# KiCad board oresat0-1u-backplane.kicad_pcb
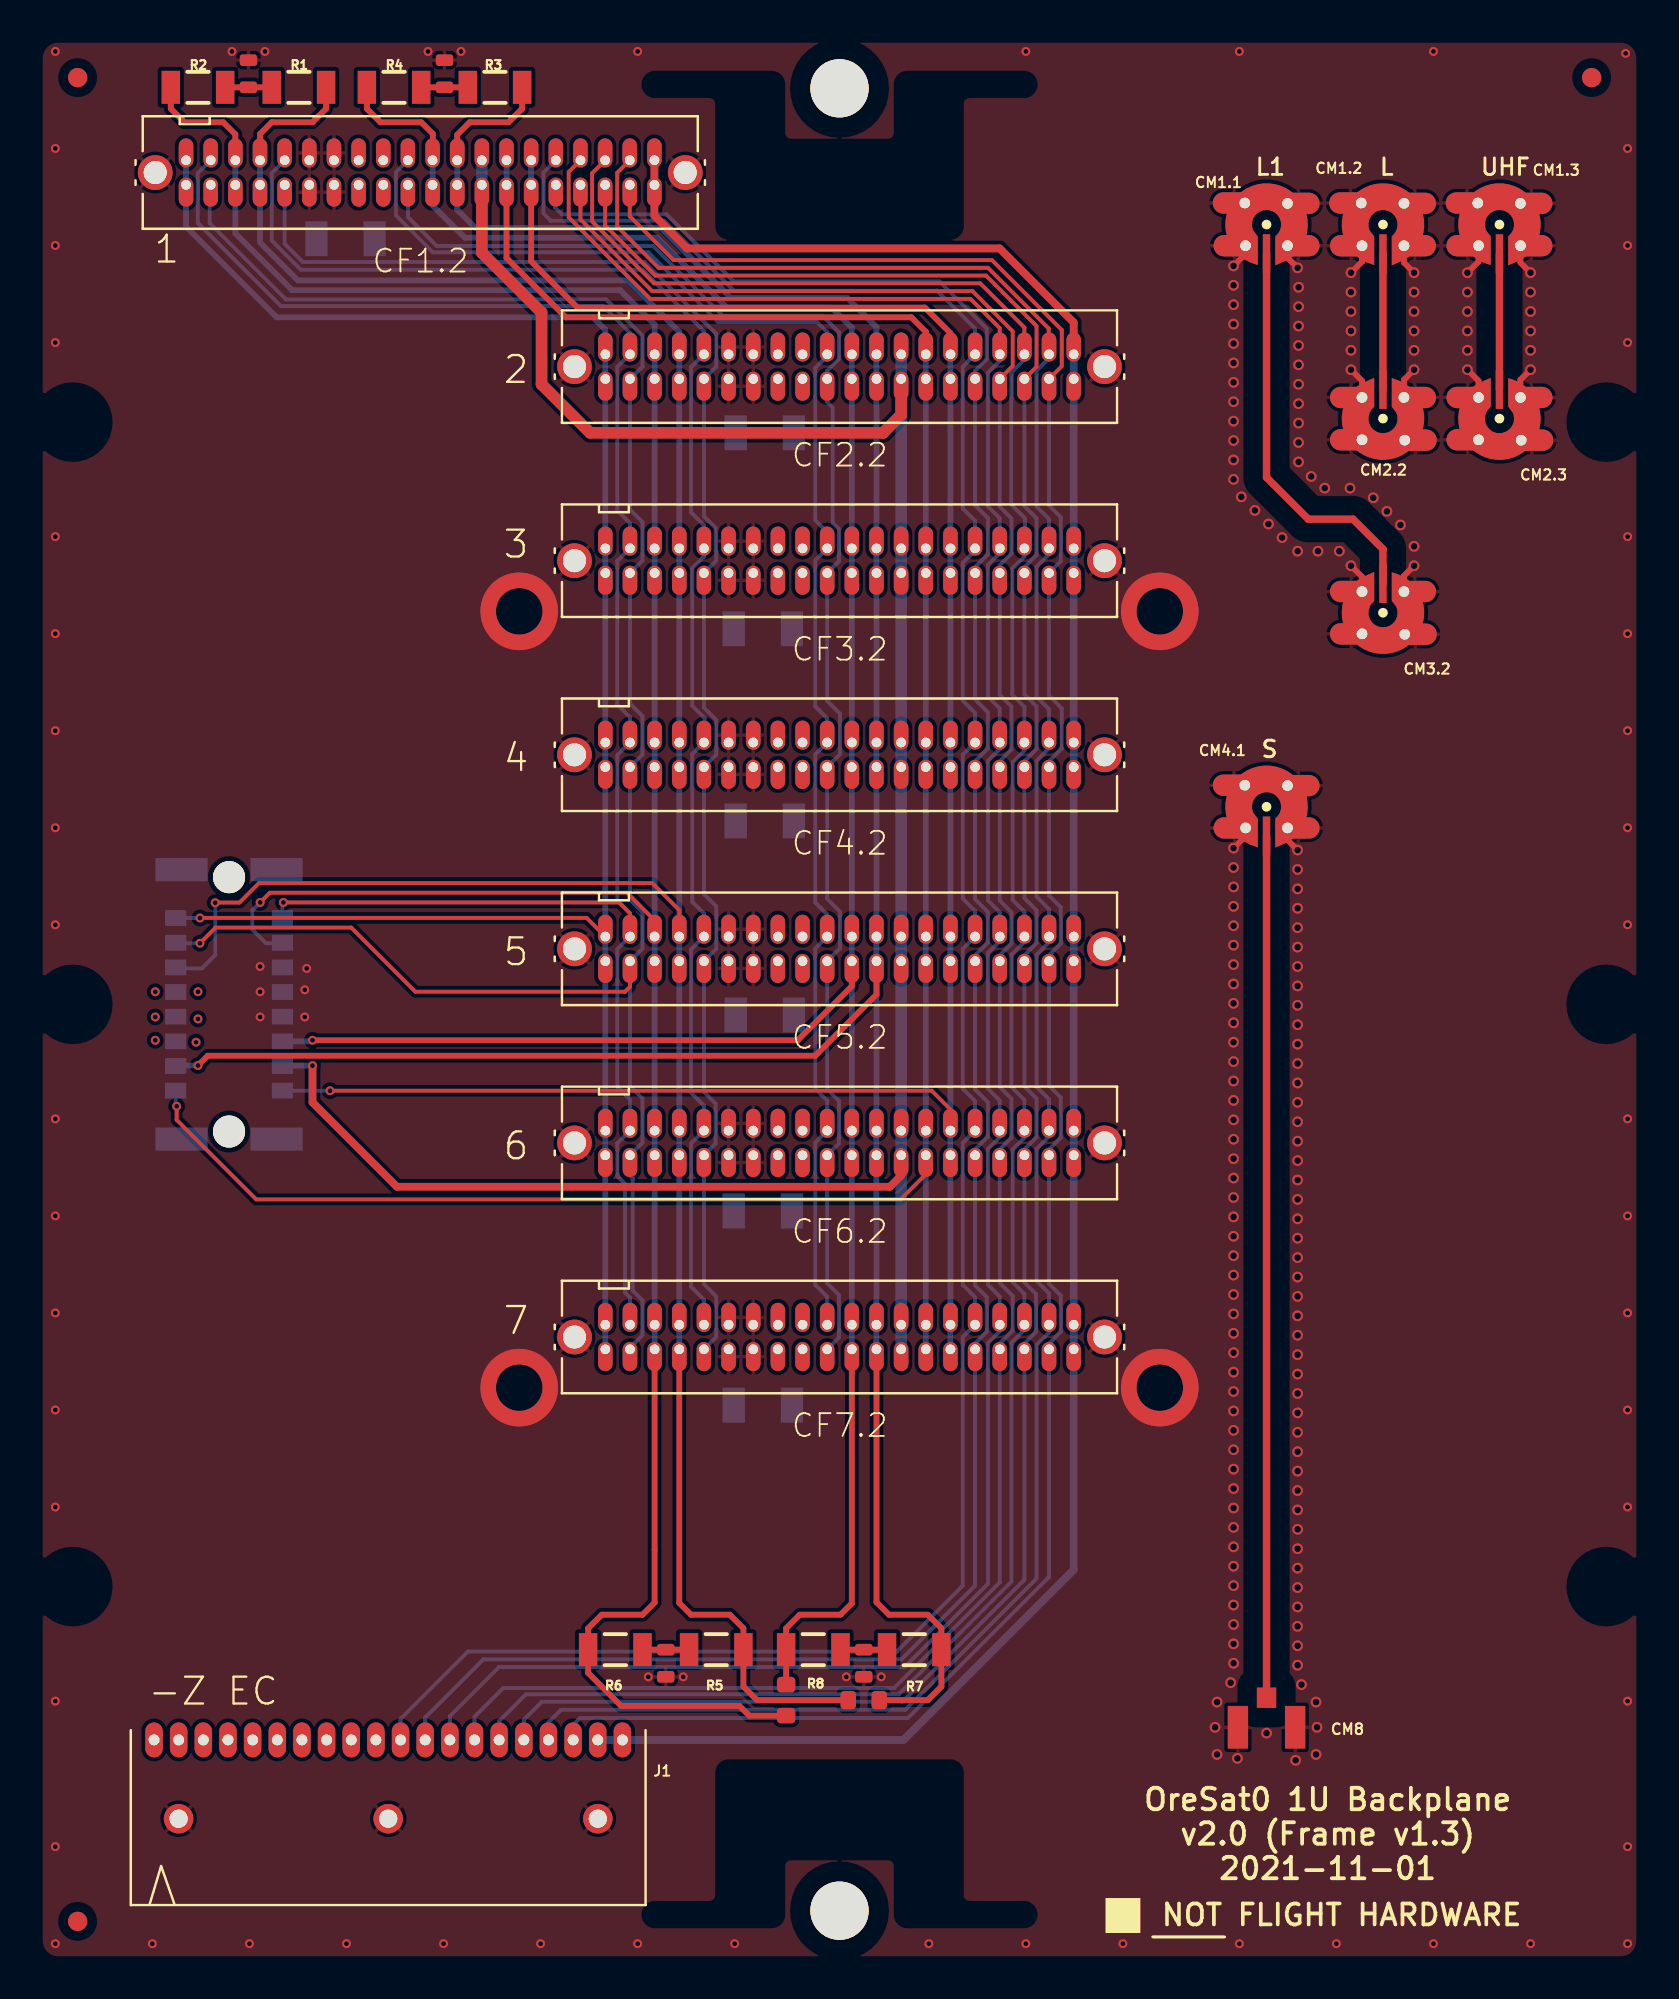
[diagram p0: board, top side]
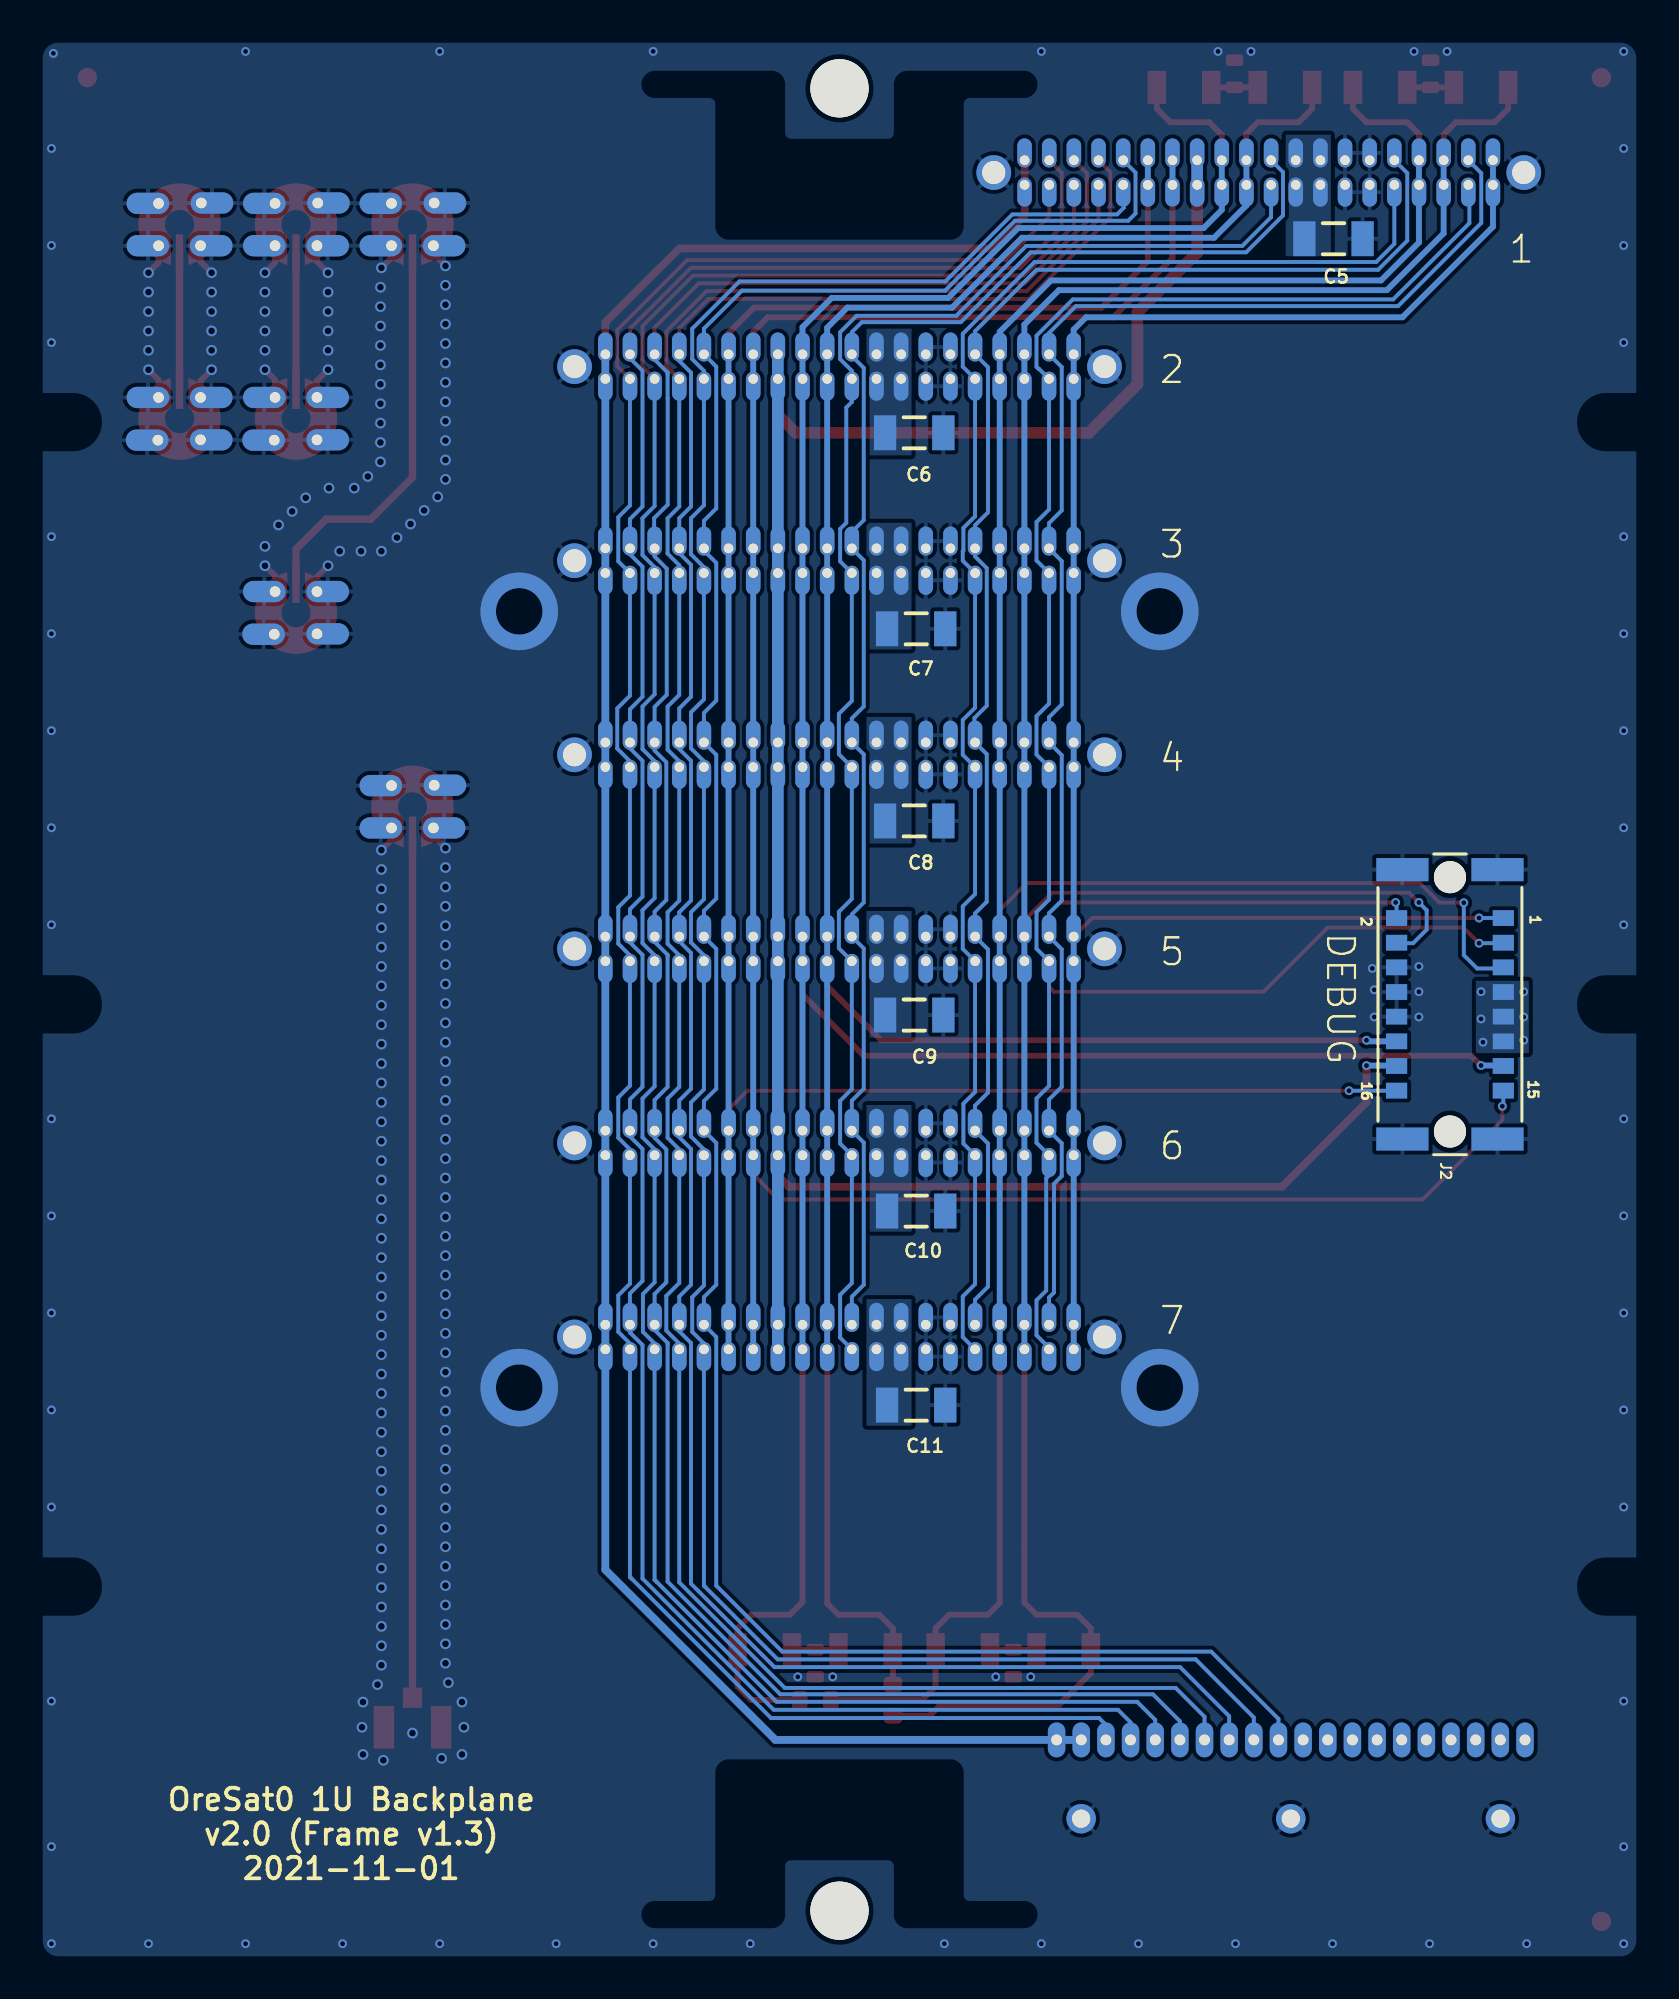
[diagram p1: board, bottom side, seen from below]

Outline 82.5 x 99 mm; copper layers: Top, In1.Cu, In2.Cu, Bottom. Coordinates in mm from the lower left corner of the outline.
Outline path: 0,98 0,80.55 1.75,80.55 arc(3.05,79.25) 1.75,77.95 0,77.95 0,50.55 1.75,50.55 arc(3.05,49.25) 1.75,47.95 0,47.95 0,20.55 1.75,20.55 arc(3.05,19.25) 1.75,17.95 0,17.95 0,1 arc(0.29,0.29) 1,0 81.5,0 arc(82.21,0.29) 82.5,1 82.5,17.95 80.75,17.95 arc(79.45,19.25) 80.75,20.55 82.5,20.55 82.5,47.95 80.75,47.95 arc(79.45,49.25) 80.75,50.55 82.5,50.55 82.5,77.95 80.75,77.95 arc(79.45,79.25) 80.75,80.55 82.5,80.55 82.5,98 arc(82.21,98.71) 81.5,99 1,99 arc(0.29,98.71) 0,98 ; 31.75,96.15 arc(31.25,96.65) 31.75,97.15 37.75,97.15 arc(38.1,97) 38.25,96.65 38.25,94.15 arc(38.4,93.8) 38.75,93.65 43.75,93.65 arc(44.1,93.8) 44.25,94.15 44.25,96.65 arc(44.4,97) 44.75,97.15 50.75,97.15 arc(51.25,96.65) 50.75,96.15 47.95,96.15 arc(47.6,96) 47.45,95.65 47.45,89.35 arc(47.3,89) 46.95,88.85 35.55,88.85 arc(35.2,89) 35.05,89.35 35.05,95.65 arc(34.9,96) 34.55,96.15 31.75,96.15 ; 31.75,2.85 34.55,2.85 arc(34.9,3) 35.05,3.35 35.05,9.65 arc(35.2,10) 35.55,10.15 46.95,10.15 arc(47.3,10) 47.45,9.65 47.45,3.35 arc(47.6,3) 47.95,2.85 50.75,2.85 arc(51.25,2.35) 50.75,1.85 44.75,1.85 arc(44.4,2) 44.25,2.35 44.25,4.85 arc(44.1,5.2) 43.75,5.35 38.75,5.35 arc(38.4,5.2) 38.25,4.85 38.25,2.35 arc(38.1,2) 37.75,1.85 31.75,1.85 arc(31.25,2.35) 31.75,2.85
Stack: Top 0.035mm / dielectric 0.48mm FR4 er 4.5 / In1.Cu 0.035mm / dielectric 0.48mm FR4 er 4.5 / In2.Cu 0.035mm / dielectric 0.48mm FR4 er 4.5 / Bottom 0.035mm

## Placement (name value [footprint] x y rotation side)
@HOLE0  -  [unnamed]  41.25 2.55 0 top
@HOLE1  -  [unnamed]  41.25 96.45 0 top
C1  1n  [.0603-C-NOSILK]  10.8 97.2 90 top
C2  1n  [.0603-C-NOSILK]  20.9 97.2 90 top
C3  1n  [.0603-C-NOSILK]  32.3 15.3 270 top
C4  1n  [.0603-C-NOSILK]  42.5 15.3 270 top
C5  10u 25V  [1206-B]  15.8 88.7 180 bottom
C6  10u 25V  [1206-B]  37.4 78.7 180 bottom
C7  10u 25V  [1206-B]  37.3 68.6 180 bottom
C8  10u 25V  [1206-B]  37.4 58.7 180 bottom
C9  10u 25V  [1206-B]  37.4 48.7 180 bottom
C10  10u 25V  [1206-B]  37.3 38.6 180 bottom
C11  10u 25V  [1206-B]  37.3 28.6 180 bottom
CF1.2  -  [SFM-120-X1-XXX-D]  19.65 92.11 0 top
CF2.2  -  [SFM-120-X1-XXX-D]  41.25 82.11 0 top
CF3.2  -  [SFM-120-X1-XXX-D]  41.25 72.11 0 top
CF4.2  -  [SFM-120-X1-XXX-D]  41.25 62.11 0 top
CF5.2  -  [SFM-120-X1-XXX-D]  41.25 52.11 0 top
CF6.2  -  [SFM-120-X1-XXX-D]  41.25 42.11 0 top
CF7.2  -  [SFM-120-X1-XXX-D]  41.25 32.11 0 top
CM1.1  -  [J-MOLEX-SMPM-73300-0111X]  63.25 89.43 180 top
CM1.2  -  [J-MOLEX-SMPM-73300-0111X]  69.25 89.43 180 top
CM1.3  -  [J-MOLEX-SMPM-73300-0111X]  75.25 89.43 180 top
CM2.2  -  [J-MOLEX-SMPM-73300-0111X]  69.25 79.43 0 top
CM2.3  -  [J-MOLEX-SMPM-73300-0111X]  75.25 79.43 0 top
CM3.2  -  [J-MOLEX-SMPM-73300-0111X]  69.25 69.43 0 top
CM4.1  -  [J-MOLEX-SMPM-73300-0111X]  63.25 59.43 180 top
CM8  U.FL-R-SMA  [U.FL-R-SMT]  63.25 12 0 top
FIDUCIAL1  -  [FIDUCIAL-1.0X2.0]  80 97 0 top
FIDUCIAL2  -  [FIDUCIAL-1.0X2.0]  2 97 0 top
FIDUCIAL3  -  [FIDUCIAL-1.0X2.0]  2 2 0 top
J1  -  [5-104196-5]  18 11.35 0 top
J2  M55-6001642R  [CONN_M55-6001642R_HRW]  9.8 49.25 270 bottom
R1  60.4  [1206-C]  13.4 96.5 180 top
R2  60.4  [1206-C]  8.2 96.5 0 top
R3  60.4  [1206-C]  23.5 96.5 180 top
R4  60.4  [1206-C]  18.3 96.5 0 top
R5  NP/60.4  [1206-C]  34.9 16 180 top
R6  NP/60.4  [1206-C]  29.7 16 0 top
R7  NP/60.4  [1206-C]  45.1 16 180 top
R8  NP/60.4  [1206-C]  39.9 16 0 top
R9  0  [.0603-B-NOSILK]  38.5 13.4 90 top
R10  0  [.0603-B-NOSILK]  42.5 13.4 0 top
U$1  FLIGHMARKERNEW  [FLIGHTMARKER_NEW_BOARDS]  55.2 1.7 0 top

## Footprints (pads in the part's own frame, mm; a bottom-side part is the same pattern mirrored in y, then rotated)
5-104196-5
  oval 0.9x1.8 hole 0.56: 1(-12.065,0) 2(-10.795,0) 3(-9.525,0) 4(-8.255,0) 5(-6.985,0) 6(-5.715,0) 7(-4.445,0) 8(-3.175,0) 9(-1.905,0) 10(-0.635,0) 11(0.635,0) 12(1.905,0) 13(3.175,0) 14(4.445,0) 15(5.715,0) 16(6.985,0) 17(8.255,0) 18(9.525,0) 19(10.795,0) 20(12.065,0)
  round 1.52 hole 0.94: HD1(-10.8,-4.06) HD2(0,-4.06) HD3(10.8,-4.06)
1206-B
  rect 1.15x1.8 smd: 1(-1.5,0) 2(1.5,0)
1206-C
  rect 0.95x1.7 smd: 1(-1.4,0) 2(1.4,0)
.0603-B-NOSILK
  rrect 0.8x0.95 smd: 1(-0.8,0) 2(0.8,0)
.0603-C-NOSILK
  rrect 0.6x0.9 smd: 1(-0.7,0) 2(0.7,0)
CONN_M55-6001642R_HRW
  round 1.651 hole 1.651 unplated: (-6.553,0) (6.553,0)
  rect 0.813x1.092 smd: 1(-4.445,2.75) 2(-4.445,-2.75) 3(-3.175,2.75) 4(-3.175,-2.75) 5(-1.905,2.75) 6(-1.905,-2.75) 7(-0.635,2.75) 8(-0.635,-2.75) 9(0.635,2.75) 10(0.635,-2.75) 11(1.905,2.75) 12(1.905,-2.75) 13(3.175,2.75) 14(3.175,-2.75) 15(4.445,2.75) 16(4.445,-2.75)
  rect 1.194x2.692 smd: 19(-6.94,-2.45) 20(6.94,-2.45) 21(-6.94,2.45) 22(6.94,2.45)
FIDUCIAL-1.0X2.0
  rrect 1x1 smd: FIDUCIAL(0,0)
J-MOLEX-SMPM-73300-0111X
  oval 2.2x1.1 hole 0.55: P$1(-1.08,-1.09) P$2(1.12,-1.11) P$3(1.08,1.09) P$4(-1.08,1.09)
  rect 0.38x2 smd: RF-DOWN(0,1.5)
SFM-120-X1-XXX-D
  oval 0.75x1.5 hole 0.5: 1(12.065,-0.635) 2(12.065,0.635) 3(10.795,-0.635) 4(10.795,0.635) 5(9.525,-0.635) 6(9.525,0.635) 7(8.255,-0.635) 8(8.255,0.635) 9(6.985,-0.635) 10(6.985,0.635) 11(5.715,-0.635) 12(5.715,0.635) 13(4.445,-0.635) 14(4.445,0.635) 15(3.175,-0.635) 16(3.175,0.635) 17(1.905,-0.635) 18(1.905,0.635) 19(0.635,-0.635) 20(0.635,0.635) 21(-0.635,-0.635) 22(-0.635,0.635) 23(-1.905,-0.635) 24(-1.905,0.635) 25(-3.175,-0.635) 26(-3.175,0.635) 27(-4.445,-0.635) 28(-4.445,0.635) 29(-5.715,-0.635) 30(-5.715,0.635) 31(-6.985,-0.635) 32(-6.985,0.635) 33(-8.255,-0.635) 34(-8.255,0.635) 35(-9.525,-0.635) 36(-9.525,0.635) 37(-10.795,-0.635) 38(-10.795,0.635) 39(-12.065,-0.635) 40(-12.065,0.635)
  round 1.791 hole 1.194: LC1(13.652,0) LC2(-13.652,0)
U.FL-R-SMT
  rect 1x1.05 smd: 1(0,1.525)
  rect 1.05x2.2 smd: 2(-1.475,0) 3(1.475,0)
unnamed
  round 3 hole 3 unplated: (0,0)

## Nets
GND: C1.2 C2.2 C3.2 C4.2 C5.2 C6.2 C7.2 C8.2 C9.2 C10.2 C11.2 CF1.2.27 CF1.2.28 CF1.2.29 CF1.2.30 CF1.2.LC1 CF1.2.LC2 CF2.2.27 CF2.2.28 CF2.2.29 CF2.2.30 CF2.2.LC1 CF2.2.LC2 CF3.2.27 CF3.2.28 CF3.2.29 CF3.2.30 CF3.2.LC1 CF3.2.LC2 CF4.2.27 CF4.2.28 CF4.2.29 CF4.2.30 CF4.2.LC1 CF4.2.LC2 CF5.2.27 CF5.2.28 CF5.2.29 CF5.2.30 CF5.2.LC1 CF5.2.LC2 CF6.2.27 CF6.2.28 CF6.2.29 CF6.2.30 CF6.2.LC1 CF6.2.LC2 CF7.2.27 CF7.2.28 CF7.2.29 CF7.2.30 CF7.2.LC1 CF7.2.LC2 CM1.1.P$1 CM1.1.P$2 CM1.1.P$3 CM1.1.P$4 CM1.2.P$1 CM1.2.P$2 CM1.2.P$3 CM1.2.P$4 CM1.3.P$1 CM1.3.P$2 CM1.3.P$3 CM1.3.P$4 CM2.2.P$1 CM2.2.P$2 CM2.2.P$3 CM2.2.P$4 CM2.3.P$1 CM2.3.P$2 CM2.3.P$3 CM2.3.P$4 CM3.2.P$1 CM3.2.P$2 CM3.2.P$3 CM3.2.P$4 CM4.1.P$1 CM4.1.P$2 CM4.1.P$3 CM4.1.P$4 CM8.2 CM8.3 J1.HD1 J1.HD2 J1.HD3 J2.6 J2.8 J2.10 J2.19 J2.20 J2.21 J2.22
VBUS: C5.1 C6.1 C7.1 C8.1 C9.1 C10.1 C11.1 CF1.2.23 CF1.2.24 CF1.2.25 CF1.2.26 CF2.2.23 CF2.2.24 CF2.2.25 CF2.2.26 CF3.2.23 CF3.2.24 CF3.2.25 CF3.2.26 CF4.2.23 CF4.2.24 CF4.2.25 CF4.2.26 CF5.2.23 CF5.2.24 CF5.2.25 CF5.2.26 CF6.2.23 CF6.2.24 CF6.2.25 CF6.2.26 CF7.2.23 CF7.2.24 CF7.2.25 CF7.2.26 J2.7 J2.9 J2.11
C3-UART-RX: CF1.2.38 CF2.2.38 CF3.2.38 CF4.2.38 CF5.2.38 CF6.2.38 CF7.2.38 J2.2
C3-UART-TX: CF1.2.37 CF2.2.37 CF3.2.37 CF4.2.37 CF5.2.37 CF6.2.37 CF7.2.37 J2.3
CAN1_H: CF1.2.33 CF1.2.34 CF2.2.33 CF2.2.34 CF3.2.33 CF3.2.34 CF4.2.33 CF4.2.34 CF5.2.33 CF5.2.34 CF6.2.33 CF6.2.34 CF7.2.33 CF7.2.34 J2.5 R1.1 R5.1 R10.1
CAN1_L: CF1.2.35 CF1.2.36 CF2.2.35 CF2.2.36 CF3.2.35 CF3.2.36 CF4.2.35 CF4.2.36 CF5.2.35 CF5.2.36 CF6.2.35 CF6.2.36 CF7.2.35 CF7.2.36 J2.4 R2.1 R6.1 R9.1
CAN2_H: CF1.2.17 CF1.2.18 CF2.2.17 CF2.2.18 CF3.2.17 CF3.2.18 CF4.2.17 CF4.2.18 CF5.2.17 CF5.2.18 CF6.2.17 CF6.2.18 CF7.2.17 CF7.2.18 J2.13 R3.1 R7.1 R10.2
CAN2_L: CF1.2.19 CF1.2.20 CF2.2.19 CF2.2.20 CF3.2.19 CF3.2.20 CF4.2.19 CF4.2.20 CF5.2.19 CF5.2.20 CF6.2.19 CF6.2.20 CF7.2.19 CF7.2.20 J2.12 R4.1 R8.1 R9.2
L1-TURNSTILE: CM1.1.RF-DOWN CM3.2.RF-DOWN
L-TURNSTILE: CM1.2.RF-DOWN CM2.2.RF-DOWN
N$1: C2.1 R3.2 R4.2
N$2: C1.1 R1.2 R2.2
N$3: C4.1 R7.2 R8.2
N$4: C3.1 R5.2 R6.2
OPD_PWR: CF1.2.15 CF1.2.16 CF2.2.15 CF2.2.16 CF3.2.15 CF3.2.16 CF4.2.15 CF4.2.16 CF5.2.15 CF5.2.16 CF6.2.15 CF6.2.16 CF7.2.15 CF7.2.16 J2.14
OPD_SCL: CF1.2.13 CF1.2.14 CF2.2.13 CF2.2.14 CF3.2.13 CF3.2.14 CF4.2.13 CF4.2.14 CF5.2.13 CF5.2.14 CF6.2.13 CF6.2.14 CF7.2.13 CF7.2.14 J2.15
OPD_SDA: CF1.2.11 CF1.2.12 CF2.2.11 CF2.2.12 CF3.2.11 CF3.2.12 CF4.2.11 CF4.2.12 CF5.2.11 CF5.2.12 CF6.2.11 CF6.2.12 CF7.2.11 CF7.2.12 J2.16
S-PATCH: CM4.1.RF-DOWN CM8.1
SPARE1-MAG-SDA: CF1.2.1 CF1.2.2 CF2.2.1 CF2.2.2 CF3.2.1 CF3.2.2 CF4.2.1 CF4.2.2 CF5.2.1 CF5.2.2 CF6.2.1 CF6.2.2 CF7.2.1 CF7.2.2 J1.19 J1.20
SPARE3-MAG-SCL: CF1.2.3 CF2.2.3 CF3.2.3 CF4.2.3 CF5.2.3 CF6.2.3 CF7.2.3 J1.18
SPARE4-MAG-SCL: CF1.2.4 CF2.2.4 CF3.2.4 CF4.2.4 CF5.2.4 CF6.2.4 CF7.2.4 J1.17
SPARE5-MAG-POWER: CF1.2.5 CF2.2.5 CF3.2.5 CF4.2.5 CF5.2.5 CF6.2.5 CF7.2.5 J1.16
SPARE6-MAG-POWER: CF1.2.6 CF2.2.6 CF3.2.6 CF4.2.6 CF5.2.6 CF6.2.6 CF7.2.6 J1.15
SPARE7: CF1.2.7 CF2.2.7 CF3.2.7 CF4.2.7 CF5.2.7 CF6.2.7 CF7.2.7 J1.14
SPARE8: CF1.2.8 CF2.2.8 CF3.2.8 CF4.2.8 CF5.2.8 CF6.2.8 CF7.2.8 J1.13
SPARE9-TURNSTILE-DEPLOY: CF1.2.9 CF2.2.9 CF3.2.9 CF4.2.9 CF5.2.9 CF6.2.9 CF7.2.9 J1.12
SPARE10-TURNSTILE-DEPLOY: CF1.2.10 CF2.2.10 CF3.2.10 CF4.2.10 CF5.2.10 CF6.2.10 CF7.2.10 J1.11
SPARE21: CF1.2.21 CF2.2.21 CF3.2.21 CF4.2.21 CF5.2.21 CF6.2.21 CF7.2.21
SPARE22: CF1.2.22 CF2.2.22 CF3.2.22 CF4.2.22 CF5.2.22 CF6.2.22 CF7.2.22
SPARE31: CF1.2.31 CF2.2.31 CF3.2.31 CF4.2.31 CF5.2.31 CF6.2.31 CF7.2.31
SPARE32: CF1.2.32 CF2.2.32 CF3.2.32 CF4.2.32 CF5.2.32 CF6.2.32 CF7.2.32
UHF-TURNSTILE: CM1.3.RF-DOWN CM2.3.RF-DOWN
~{SD}: CF1.2.39 CF1.2.40 CF2.2.39 CF2.2.40 CF3.2.39 CF3.2.40 CF4.2.39 CF4.2.40 CF5.2.39 CF5.2.40 CF6.2.39 CF6.2.40 CF7.2.39 CF7.2.40 J2.1

Pads without a net: FIDUCIAL1 FIDUCIAL; FIDUCIAL2 FIDUCIAL; FIDUCIAL3 FIDUCIAL; J1 1 2 3 4 5 6 7 8 9 10

## Via types
v1: diameter 0.457, hole 0.254, Top to Bottom, 82 vias
v2: diameter 0.553, hole 0.35, Top to Bottom, 160 vias
v3: diameter 4, hole 2.4, Top to Bottom, 4 vias

## Routing (per net, layer and track width the routed paths; a pad name or vN(x,y) marks a point on that pad's centre or on a via; arc(x,y) is an arc through that point)
GND: length 21.5
  Top w0.3: v2(76.85,81.95) 76.33,81.43 CM2.3.P$3 ; CM1.2.P$3 68.17,87.52 v2(67.6,86.95) ; CM1.2.P$4 70.33,87.47 v2(70.85,86.95) ; v2(73.6,81.95) 74.17,81.38 CM2.3.P$4 ; CM1.3.P$3 74.17,87.52 v2(73.6,86.95) ; CM1.1.P$3 62.17,87.92 v2(61.55,87.3) ; CM4.1.P$4 64.33,57.72 v2(64.85,57.2) ; CM3.2.P$4 68.17,71.28 v2(67.6,71.85) ; CM1.3.P$4 76.33,87.47 v2(76.85,86.95) ; v2(70.85,81.95) 70.33,81.43 CM2.2.P$3 ; CM4.1.P$3 62.17,57.92 v2(61.55,57.3) ; v2(67.6,81.95) 68.17,81.38 CM2.2.P$4 ; CM3.2.P$3 70.33,71.33 v2(70.85,71.85) ; CM1.1.P$4 64.33,87.72 v2(64.85,87.2)
  vias: v1(0.85,98.35) v1(0.85,93.35) v1(0.85,88.35) v1(0.85,83.35) v1(0.85,73.35) v1(0.85,68.35) v1(0.85,63.35) v1(0.85,58.35) v1(0.85,53.35) v1(0.85,43.35) v1(0.85,38.35) v1(0.85,33.35) v1(0.85,28.35) v1(0.85,23.35) v1(0.85,13.35) v1(0.85,5.85) v1(0.85,0.85) v1(5.85,0.85) v1(9.95,98.35) v1(10.85,0.85) v1(11.4,51.2) v1(11.4,49.9) v1(11.4,48.6) v1(11.65,98.35) v1(13.7,50) v1(13.7,48.6) v1(13.8,51.1) v1(15.85,0.85) v1(20.05,98.35) v1(20.85,0.85) v1(21.75,98.35) v1(25.85,0.85) v1(30.85,98.35) v1(30.85,0.85) v1(31.4,14.6) v1(33.2,14.6) v1(35.85,0.85) v1(41.6,14.6) v1(43.4,14.6) v1(45.85,0.85) v1(50.85,98.35) v1(50.85,0.85) v1(55.85,0.85) v1(61.85,98.35) v1(61.85,0.85) v1(66.85,0.85) v1(71.85,98.35) v1(71.85,0.85) v1(76.85,0.85) v1(81.75,98.25) v1(81.85,93.35) v1(81.85,88.35) v1(81.85,83.35) v1(81.85,73.35) v1(81.85,68.35) v1(81.85,63.35) v1(81.85,58.35) v1(81.85,53.35) v1(81.85,43.35) v1(81.85,38.35) v1(81.85,33.35) v1(81.85,28.35) v1(81.85,23.35) v1(81.85,13.35) v1(81.85,5.85) v1(81.85,0.85) v2(60.6,12) v2(60.7,13.3) v2(60.7,10.6) v2(61.4,14.3) v2(61.55,86.3) v2(61.55,85.3) v2(61.55,84.3) v2(61.55,83.3) v2(61.55,82.3) v2(61.55,81.3) v2(61.55,80.3) v2(61.55,79.3) v2(61.55,78.3) v2(61.55,77.3) v2(61.55,76.3) v2(61.55,56.3) v2(61.55,55.3) v2(61.55,54.3) v2(61.55,53.3) v2(61.55,52.3) v2(61.55,51.3) v2(61.55,50.3) v2(61.55,49.3) v2(61.55,48.3) v2(61.55,47.3) v2(61.55,46.3) v2(61.55,45.3) v2(61.55,44.3) v2(61.55,43.3) v2(61.55,42.3) v2(61.55,41.3) v2(61.55,40.3) v2(61.55,39.3) v2(61.55,38.3) v2(61.55,37.3) v2(61.55,36.3) v2(61.55,35.3) v2(61.55,34.3) v2(61.55,33.3) v2(61.55,32.3) v2(61.55,31.3) v2(61.55,30.3) v2(61.55,29.3) v2(61.55,28.3) v2(61.55,27.3) v2(61.55,26.3) v2(61.55,25.3) v2(61.55,24.3) v2(61.55,23.3) v2(61.55,22.3) v2(61.55,21.3) v2(61.55,20.3) v2(61.55,19.3) v2(61.55,18.3) v2(61.55,17.3) v2(61.55,16.3) v2(61.55,15.3) v2(61.75,10.4) v2(61.95,75.4) v2(62.65,74.7) v2(63.25,11.7) v2(63.35,74) v2(64.05,73.3) v2(64.75,10.3) v2(64.85,72.6) v2(64.85,56.2) v2(64.85,55.2) v2(64.85,54.2) v2(64.85,53.2) v2(64.85,52.2) v2(64.85,51.2) v2(64.85,50.2) v2(64.85,49.2) v2(64.85,48.2) v2(64.85,47.2) v2(64.85,46.2) v2(64.85,45.2) v2(64.85,44.2) v2(64.85,43.2) v2(64.85,42.2) v2(64.85,41.2) v2(64.85,40.2) v2(64.85,39.2) v2(64.85,38.2) v2(64.85,37.2) v2(64.85,36.2) v2(64.85,35.2) v2(64.85,34.2) v2(64.85,33.2) v2(64.85,32.2) v2(64.85,31.2) v2(64.85,30.2) v2(64.85,29.2) v2(64.85,28.2) v2(64.85,27.2) v2(64.85,26.2) v2(64.85,25.2) v2(64.85,24.2) v2(64.85,23.2) v2(64.85,22.2) v2(64.85,21.2) v2(64.85,20.2) v2(64.85,19.2) v2(64.85,18.2) v2(64.85,17.2) v2(64.85,16.2) v2(64.85,15.2) v2(64.9,86.2) v2(64.9,85.2) v2(64.9,84.2) v2(64.9,83.2) v2(64.9,82.2) v2(64.9,81.2) v2(64.9,80.2) v2(64.9,79.2) v2(64.9,78.2) v2(64.9,77.2) v2(65.05,14.2) v2(65.55,76.45) v2(65.8,13.3) v2(65.85,12) v2(65.8,10.6) v2(65.9,72.6) v2(66.25,75.85) v2(67,72.6) v2(67.55,75.85) v2(67.6,85.95) v2(67.6,84.95) v2(67.6,83.95) v2(67.6,82.95) v2(68.75,75.35) v2(69.45,74.65) v2(70.15,73.95) v2(70.85,85.95) v2(70.85,84.95) v2(70.85,83.95) v2(70.85,82.95) v2(70.85,72.85) v2(73.6,85.95) v2(73.6,84.95) v2(73.6,83.95) v2(73.6,82.95) v2(76.85,85.95) v2(76.85,84.95) v2(76.85,83.95) v2(76.85,82.95) v3(24.75,69.5) v3(24.75,29.5) v3(57.75,69.5) v3(57.75,29.5)
VBUS:
  vias: v1(6,49.9) v1(6,48.6) v1(6,47.4) v1(8.1,47.3) v1(8.2,49.9) v1(8.2,48.5)
C3-UART-RX: length 102
  Top w0.2: v1(12.6,54.5) 29.9,54.5 30.45,53.95 CF5.2.38
  Bottom w0.2: v1(12.6,54.5) 12.55,54.45 J2.2 ; CF7.2.38 30.45,34.15 30.2,34.4 30.2,40 29.8,40.4 29.8,42.09 CF6.2.38 30.45,44.34 29.8,45 29.8,52.09 CF5.2.38 30.45,53.95 29.8,54.6 29.8,62.09 CF4.2.38 30.45,64.05 29.8,64.7 29.8,72.09 CF3.2.38 30.45,74.05 29.8,74.7 29.8,82.09 CF2.2.38 30.45,83.84 29.07,85.23 12.47,85.23 8.19,89.51 8.19,92.08 CF1.2.38
C3-UART-TX: length 108.4
  Top w0.2: CF5.2.37 30.45,50.16 30.2,49.9 19.4,49.9 16.09,53.21 9.11,53.21 v1(8.3,52.4)
  Bottom w0.2: CF1.2.37 8.8,91.42 8.8,89.5 12.73,85.57 29.23,85.57 31.1,83.7 31.1,82.1 31,82 30.98,82 CF2.2.37 30.45,74.75 31.1,74.1 31.1,72.12 CF3.2.37 30.45,64.75 31.1,64.1 31.1,62.12 CF4.2.37 30.45,54.65 31.1,54 31.1,52.12 CF5.2.37 30.45,45.05 31.1,44.4 31.1,42.12 CF6.2.37 30.5,41.43 30.5,40.4 30.6,40.3 30.6,34.5 31.1,34 31.1,32.2 30.45,31.56 CF7.2.37 ; J2.3 7.08,52.4 v1(8.3,52.4)
CAN1_H: length 143.7
  Top w0.2: v1(9.09,54.49) 9.1,54.5 9.26,54.5 9.26,54.5 10.34,54.5 11.34,55.5 31.6,55.5 33,54.11 CF5.2.34
  Top w0.3: R10.1 37,13.4 36.3,14.1 R5.1 36.3,17.1 35.6,17.8 33.6,17.8 33,18.41 CF7.2.33 ; R1.1 14.8,95.4 14.1,94.7 12,94.7 11.4,94.09 CF1.2.34
  Bottom w0.2: J2.5 7.11,51.1 8.4,51.1 9.09,51.79 v1(9.09,54.49)
  Bottom w0.3: 33,52.5 CF5.2.34 ; 33,52.5 CF5.2.33 CF6.2.34 CF6.2.33 CF7.2.34 CF7.2.33 ; 33,52.5 CF4.2.33 CF4.2.34 CF3.2.33 CF3.2.34 CF2.2.33 CF2.2.34 33,83.91 30.35,86.55 13.35,86.55 11.4,88.51 CF1.2.33 CF1.2.34
CAN1_L: length 142.2
  Top w0.2: CF5.2.36 31.73,53.58 30.3,55 11.9,55 v1(11.4,54.5)
  Top w0.3: CF1.2.36 10.12,94.08 9.5,94.7 7.5,94.7 6.8,95.4 R2.1 ; CF7.2.35 31.73,18.43 31.1,17.8 29,17.8 28.3,17.1 R6.1 28.3,14.8 30,13.1 36.1,13.1 36.6,12.6 R9.1
  Bottom w0.2: J2.4 12.53,52.4 11.7,52.4 11,53.1 11,54.1 v1(11.4,54.5)
  Bottom w0.3: CF7.2.35 CF7.2.36 CF6.2.35 CF6.2.36 CF5.2.35 CF5.2.36 CF4.2.35 CF4.2.36 CF3.2.35 CF3.2.36 CF2.2.35 CF2.2.36 31.73,84.28 29.95,86.05 13.05,86.05 10.12,88.98 CF1.2.35 CF1.2.36
CAN2_H: length 148.4
  Top w0.3: v1(8.2,46.1) 8.7,46.6 40,46.6 43.16,49.76 CF5.2.17 ; CF7.2.17 43.16,18.44 43.8,17.8 45.8,17.8 46.5,17.1 R7.1 46.5,14.1 45.8,13.4 R10.2 ; CF1.2.18 21.55,94.06 22.2,94.7 24.2,94.7 24.9,95.4 R3.1
  Bottom w0.3: J2.13 7.08,46.1 v1(8.2,46.1) ; CF7.2.17 CF7.2.18 CF6.2.17 CF6.2.18 CF5.2.17 CF5.2.18 CF4.2.17 CF4.2.18 CF3.2.17 CF3.2.18 CF2.2.17 CF2.2.18 43.16,84.15 41.65,85.65 35.65,85.65 32.05,89.25 22.49,89.25 21.55,90.18 CF1.2.17 CF1.2.18
CAN2_L: length 137.4
  Top w0.3: v1(14.1,47.4) 39.1,47.4 41.89,50.19 CF5.2.19 ; CF7.2.19 41.89,18.39 41.3,17.8 39.2,17.8 38.5,17.1 R8.1 R9.2 ; R4.1 16.9,95.4 17.6,94.7 19.7,94.7 20.3,94.1 20.3,92.76 CF1.2.20
  Bottom w0.3: 41.89,81.6 CF2.2.20 41.89,84.12 40.85,85.15 35.45,85.15 31.85,88.75 21.95,88.75 20.29,90.42 CF1.2.19 CF1.2.20 ; 41.89,81.6 CF2.2.19 ; 41.89,81.6 CF3.2.20 CF3.2.19 CF4.2.20 CF4.2.19 CF5.2.20 CF5.2.19 CF6.2.20 CF6.2.19 CF7.2.20 CF7.2.19 ; J2.12 14.05,47.34 v1(14.1,47.4)
L1-TURNSTILE: length 20.8
  Top w0.38: CM3.2.RF-DOWN 69.25,72.7 67.7,74.25 65.4,74.25 63.25,76.4 CM1.1.RF-DOWN
L-TURNSTILE: length 7
  Top w0.38: CM2.2.RF-DOWN CM1.2.RF-DOWN
N$1: length 2.4
  Top w0.3: R4.2 C2.1 R3.2
N$2: length 2.4
  Top w0.3: R2.2 C1.1 R1.2
N$3: length 2.4
  Top w0.3: R8.2 C4.1 R7.2
N$4: length 2.4
  Top w0.3: R6.2 C3.1 R5.2
OPD_PWR: length 122.8
  Top w0.3: 14.1,46.1 v1(14.1,46.09)
  Top w0.4: 14.1,46.1 14.1,44.2 18.45,39.85 43.85,39.85 44.42,40.43 CF6.2.15
  Top w0.6: CF1.2.15 22.83,87.98 25.9,84.9 25.9,81.2 28.4,78.7 43.5,78.7 44.42,79.62 CF2.2.15
  Bottom w0.3: J2.14 12.57,46.09 v1(14.1,46.09)
  Bottom w0.6: CF1.2.16 CF1.2.15 ; CF2.2.16 CF2.2.15 CF3.2.16 CF3.2.15 CF4.2.16 CF4.2.15 CF5.2.16 CF5.2.15 CF6.2.16 CF6.2.15 CF7.2.16 CF7.2.15
OPD_SCL: length 124
  Top w0.2: CF6.2.13 45.7,40.5 44.4,39.2 11.2,39.2 7.1,43.3 v1(7.1,44)
  Top w0.3: CF1.2.13 24.1,87.71 27.15,84.65 44.95,84.65 45.7,83.91 CF2.2.14
  Bottom w0.2: J2.15 7.05,44.05 v1(7.1,44)
  Bottom w0.3: CF2.2.14 CF2.2.13 CF3.2.14 CF3.2.13 CF4.2.14 CF4.2.13 CF5.2.14 CF5.2.13 CF6.2.14 CF6.2.13 CF7.2.14 CF7.2.13 ; CF1.2.14 CF1.2.13
OPD_SDA: length 116.6
  Top w0.2: v1(15,44.8) 46,44.8 46.97,43.84 CF6.2.12
  Top w0.3: CF1.2.11 25.36,87.54 27.75,85.15 45.65,85.15 46.97,83.84 CF2.2.12
  Bottom w0.2: J2.16 12.56,44.8 v1(15,44.8)
  Bottom w0.3: CF1.2.12 CF1.2.11 ; CF2.2.12 CF2.2.11 CF3.2.12 CF3.2.11 CF4.2.12 CF4.2.11 CF5.2.12 CF5.2.11 CF6.2.12 CF6.2.11 CF7.2.12 CF7.2.11
S-PATCH: length 44.4
  Top w0.38: CM8.1 CM4.1.RF-DOWN
SPARE1-MAG-SDA: length 119.2
  Top w0.4: CF1.2.2 CF1.2.1 31.72,89.89 33.4,88.2 49.5,88.2 53.32,84.39 CF2.2.2
  Bottom w0.4: J1.19 J1.20 44.55,11.35 53.32,20.12 CF7.2.1 CF7.2.2 CF6.2.1 CF6.2.2 CF5.2.1 CF5.2.2 CF4.2.1 CF4.2.2 CF3.2.1 CF3.2.2 CF2.2.1 CF2.2.2
SPARE3-MAG-SCL: length 122
  Top w0.2: CF2.2.3 52.7,82.13 52.7,84 49.1,87.6 32.7,87.6 30.45,89.86 CF1.2.3
  Bottom w0.2: 51.95,19.65 44.78,12.48 27.88,12.48 27.5,12.1 27.5,11.47 27.53,11.45 J1.18 ; 51.95,19.65 52.05,19.75 ; 51.95,19.65 52.05,19.75 ; 52.05,19.75 CF7.2.3 52.05,31.78 52.65,32.38 52.65,34.25 52.05,34.86 CF6.2.3 52.05,41.78 52.65,42.38 52.65,44.45 52.05,45.06 CF5.2.3 52.05,51.78 52.65,52.38 52.65,54.25 52.05,54.86 CF4.2.3 52.05,61.78 52.7,62.43 52.7,64.5 52.05,65.16 CF3.2.3 52.65,72.08 52.65,74.35 52.05,74.96 CF2.2.3
SPARE4-MAG-SCL: length 124.6
  Top w0.2: CF2.2.4 52.03,82.76 52.03,84.07 48.9,87.2 31.93,87.2 29.8,89.33 29.8,92.1 CF1.2.4
  Bottom w0.2: J1.17 26.26,12.25 26.9,12.9 44.64,12.9 51.4,19.66 51.4,31.7 52.05,32.34 CF7.2.4 52.05,34.36 51.4,35 51.4,41.8 52.05,42.45 CF6.2.4 52.05,44.36 51.4,45 51.4,51.8 52.05,52.45 CF5.2.4 52.05,54.16 51.4,54.8 51.4,61.8 52.05,62.45 CF4.2.4 52.05,64.46 51.4,65.1 51.4,71.8 52.05,72.45 CF3.2.4 52.05,74.26 51.4,74.9 51.4,81.9 52.05,82.55 CF2.2.4
SPARE5-MAG-POWER: length 123.9
  Top w0.2: CF2.2.5 51.4,82.1 51.4,84.2 48.8,86.8 31.76,86.8 29.17,89.39 CF1.2.5
  Bottom w0.2: J1.16 24.98,12.39 25.91,13.31 44.49,13.31 50.66,19.49 ; 50.78,19.6 CF7.2.5 50.78,31.78 51.38,32.38 51.38,34.32 50.78,34.93 CF6.2.5 50.78,41.78 51.4,42.4 51.4,44.4 50.78,45.03 CF5.2.5 50.78,51.78 51.4,52.4 51.4,54.1 50.78,54.73 CF4.2.5 50.78,61.78 51.4,62.4 51.4,64.6 50.78,65.23 CF3.2.5 50.78,71.78 51.4,72.4 51.4,74.3 50.78,74.93 CF2.2.5 ; 50.78,19.6 50.66,19.49 ; 50.78,19.6 50.66,19.49
SPARE6-MAG-POWER: length 125.9
  Top w0.2: CF1.2.6 28.5,92.07 28.5,91.73 28.51,91.72 28.51,89.59 31.7,86.4 48.5,86.4 50.78,84.12 CF2.2.6
  Bottom w0.2: CF2.2.6 50.78,82.48 50.1,81.8 50.1,81.73 50.11,81.72 50.11,80.48 50.1,80.47 50.1,75 50.8,74.3 50.8,72.77 CF3.2.6 50.78,72.33 50.15,71.7 50.15,65.2 50.78,64.58 CF4.2.6 50.78,62.33 50.17,61.72 50.17,54.63 50.78,54.03 CF5.2.6 50.78,52.48 50.1,51.8 50.1,51.73 50.11,51.72 50.11,44.99 50.78,44.33 CF6.2.6 50.78,42.38 50.17,41.77 50.17,34.93 50.78,34.33 CF7.2.6 50.78,32.48 50.1,31.8 50.1,31.73 50.11,31.72 50.11,19.51 44.3,13.7 25.1,13.7 23.72,12.31 J1.15
SPARE7: length 124.8
  Top w0.2: CF2.2.7 50.17,82.14 50.17,83.93 48.1,86 31.6,86 27.91,89.7 CF1.2.7
  Bottom w0.2: J1.14 22.45,12.55 23.93,14.03 44.06,14.03 49.51,19.47 CF7.2.7 49.51,31.78 50.17,32.44 50.17,34.23 49.51,34.9 CF6.2.7 49.51,41.78 50.11,42.38 50.11,44.39 49.51,45 CF5.2.7 49.51,51.78 50.11,52.38 50.11,53.99 49.51,54.59 CF4.2.7 49.51,61.78 50.11,62.38 50.11,64.59 49.51,65.2 CF3.2.7 49.51,71.88 50.1,72.47 50.1,72.49 50.11,72.5 50.11,74.29 49.51,74.9 CF2.2.7
SPARE8: length 127
  Top w0.2: CF1.2.8 27.3,92.14 27.3,89.8 31.5,85.6 48,85.6 49.51,84.09 CF2.2.8
  Bottom w0.2: CF2.2.8 49.51,82.41 48.9,81.8 48.9,74.9 49.51,74.3 CF3.2.8 49.51,72.51 48.9,71.9 48.9,65.1 49.51,64.5 CF4.2.8 49.51,62.41 48.9,61.8 48.9,54.6 49.51,54 CF5.2.8 49.51,52.51 48.9,51.9 48.9,44.9 49.51,44.3 CF6.2.8 49.51,42.41 48.9,41.8 48.9,34.8 49.51,34.2 CF7.2.8 49.51,32.41 48.9,31.8 48.9,24.9 48.9,24.9 48.9,19.4 44.6,15.1 23.7,15.1 21.17,12.58 J1.13
SPARE9-TURNSTILE-DEPLOY: length 126.1
  Bottom w0.2: CF1.2.9 26.6,91.44 26.6,90.3 26.95,89.95 32.34,89.95 35.8,86.5 46.4,86.5 48.84,84.06 48.84,82.5 48.23,81.89 CF2.2.9 48.23,74.97 48.9,74.3 48.9,72.44 48.23,71.78 CF3.2.9 48.23,64.97 48.9,64.3 48.9,62.44 48.23,61.78 CF4.2.9 48.23,54.67 48.9,54 48.9,52.44 48.23,51.78 CF5.2.9 48.23,44.87 48.9,44.2 48.9,42.44 48.23,41.78 CF6.2.9 48.23,34.77 48.84,34.16 48.84,32.38 48.23,31.78 CF7.2.9 48.23,19.3 ; 48.23,19.3 48.17,19.23 ; 48.23,19.3 48.17,19.23 ; 48.17,19.23 44.44,15.5 22.9,15.5 19.91,12.5 J1.12
SPARE10-TURNSTILE-DEPLOY: length 128.3
  Bottom w0.2: J1.11 18.64,12.44 22.1,15.9 44.2,15.9 47.6,19.3 47.6,32.11 CF7.2.10 48.23,34.17 47.6,34.8 47.6,42.11 CF6.2.10 48.23,44.27 47.6,44.9 47.6,52.11 CF5.2.10 48.23,54.07 47.6,54.7 47.6,62.11 CF4.2.10 48.23,64.27 47.6,64.9 47.6,72 48.23,72.64 CF3.2.10 48.23,74.17 47.6,74.8 47.6,82.11 CF2.2.10 48.23,84.07 46.27,86.03 35.81,86.03 32.21,89.63 26.37,89.63 26,90 26,92.11 CF1.2.10
SPARE21: length 81.6
  Bottom w0.2: CF7.2.21 41.22,32.08 41.22,34.28 40.61,34.89 CF6.2.21 41.22,42.08 41.22,44.28 40.61,44.89 CF5.2.21 41.28,52.14 41.28,54.02 40.61,54.69 CF4.2.21 41.28,62.14 41.28,64.22 40.61,64.89 CF3.2.21 41.22,72.08 41.22,73.74 40.9,74.06 40.9,80 40.61,80.29 CF2.2.21 40.61,81.89 41.22,82.5 41.22,83.88 40.37,84.73 35.24,84.73 31.64,88.33 20.5,88.33 19.02,89.81 CF1.2.21
SPARE22: length 81.5
  Bottom w0.2: CF7.2.22 40.61,34.19 40,34.8 40,42.13 CF6.2.22 40.61,44.29 40,44.9 40,52.13 CF5.2.22 40.61,53.89 40,54.5 40,62.13 CF4.2.22 40.61,63.98 40,64.6 40,72.13 CF3.2.22 40.61,73.59 40,74.2 40,82.04 40.61,82.66 CF2.2.22 40.61,83.89 40.1,84.4 35,84.4 31.4,88 20.3,88 18.4,89.9 18.4,92.13 CF1.2.22
SPARE31: length 82.4
  Bottom w0.2: CF7.2.31 34.9,32.11 34.9,34.2 34.27,34.84 CF6.2.31 34.87,42.08 34.87,44.13 34.27,44.73 CF5.2.31 34.9,52.11 34.9,54.3 34.27,54.94 CF4.2.31 34.9,62.11 34.9,63.9 34.27,64.54 CF3.2.31 34.9,72.11 34.9,72.6 34.87,72.63 34.87,73.8 34.27,74.4 CF2.2.31 34.9,82.11 34.9,83.8 31.2,87.5 13.6,87.5 12.67,88.44 CF1.2.31
SPARE32: length 82.5
  Bottom w0.2: 34.3,62.78 34.3,64 33.66,64.64 33.66,71.72 34.27,72.33 CF3.2.32 34.27,73.94 33.6,74.6 33.6,82.08 CF2.2.32 34.27,83.94 31.1,87.1 13.5,87.1 12,88.6 12,92.08 CF1.2.32 ; 34.3,62.78 CF4.2.32 ; 34.3,62.78 33.66,62.14 33.66,54.54 34.27,53.94 CF5.2.32 33.6,52.08 33.6,44.7 34.27,44.04 CF6.2.32 33.6,42.08 33.6,34.7 34.27,34.04 CF7.2.32
UHF-TURNSTILE: length 7
  Top w0.38: CM2.3.RF-DOWN CM1.3.RF-DOWN
~{SD}: length 102.3
  Top w0.2: v1(8.3,53.7) 8.31,53.71 28.22,53.71 CF5.2.40
  Bottom w0.2: v1(8.3,53.7) 7.06,53.7 J2.1
  Bottom w0.3: CF1.2.40 CF1.2.39 7.59,89.32 12.25,84.65 28.55,84.65 29.19,84.02 CF2.2.40 CF2.2.39 CF3.2.40 CF3.2.39 CF4.2.40 CF4.2.39 CF5.2.40 CF5.2.39 CF6.2.40 CF6.2.39 CF7.2.40 CF7.2.39

## Copper pours and planes (outline as drawn; the poured copper is in the pictures)
GND on Top: 82.56,-0.06 -0.06,-0.06 -0.06,99.06 82.56,99.06
GND on Bottom: 82.58,-0.08 -0.08,-0.08 -0.08,99.08 82.58,99.08
GND on In1.Cu: 82.58,-0.08 -0.08,-0.08 -0.08,99.08 82.58,99.08
GND on In2.Cu: 82.58,-0.08 -0.08,-0.08 -0.08,99.08 82.58,99.08
VBUS on Bottom: 39.86,47.54 37.54,47.54 37.54,54.06 39.86,54.06
VBUS on Bottom: 39.86,27.54 37.54,27.54 37.54,34.06 39.86,34.06
VBUS on Bottom: 39.86,57.54 37.54,57.54 37.54,64.06 39.86,64.06
VBUS on Bottom: 39.86,37.54 37.54,37.54 37.54,44.06 39.86,44.06
VBUS on Bottom: 39.86,67.54 37.54,67.54 37.54,74.06 39.86,74.06
VBUS on Bottom: 18.26,87.54 15.94,87.54 15.94,94.06 18.26,94.06
VBUS on Bottom: 39.86,77.54 37.54,77.54 37.54,84.06 39.86,84.06
VBUS on Bottom: 8.46,46.74 5.74,46.74 5.74,50.46 8.46,50.46
VBUS on In2.Cu: 18.45,88.59 20.49,86.55 37.19,86.55 40.35,83.39 40.35,19.75 37.25,19.75 37.25,46.9 4.9,46.9 4.9,50.3 37.2,50.3 37.25,83.21 36.71,83.75 19.51,83.75 15.65,87.61 15.65,93.45 18.45,93.45

## Text on the board
B.Silkscreen: OreSat0 1U Backplane / v2.0 (Frame v1.3) / 2021-11-01 | DEBUG | 1 | 2 | 3 | 4 | 5 | 6 | 7
F.Silkscreen: L1 | S | L | UHF | OreSat0 1U Backplane / v2.0 (Frame v1.3) / 2021-11-01 | -Z EC | 1 | 2 | 3 | 4 | 5 | 6 | 7
